# KiCad board PCB_PANELIZED.kicad_pcb (continued)
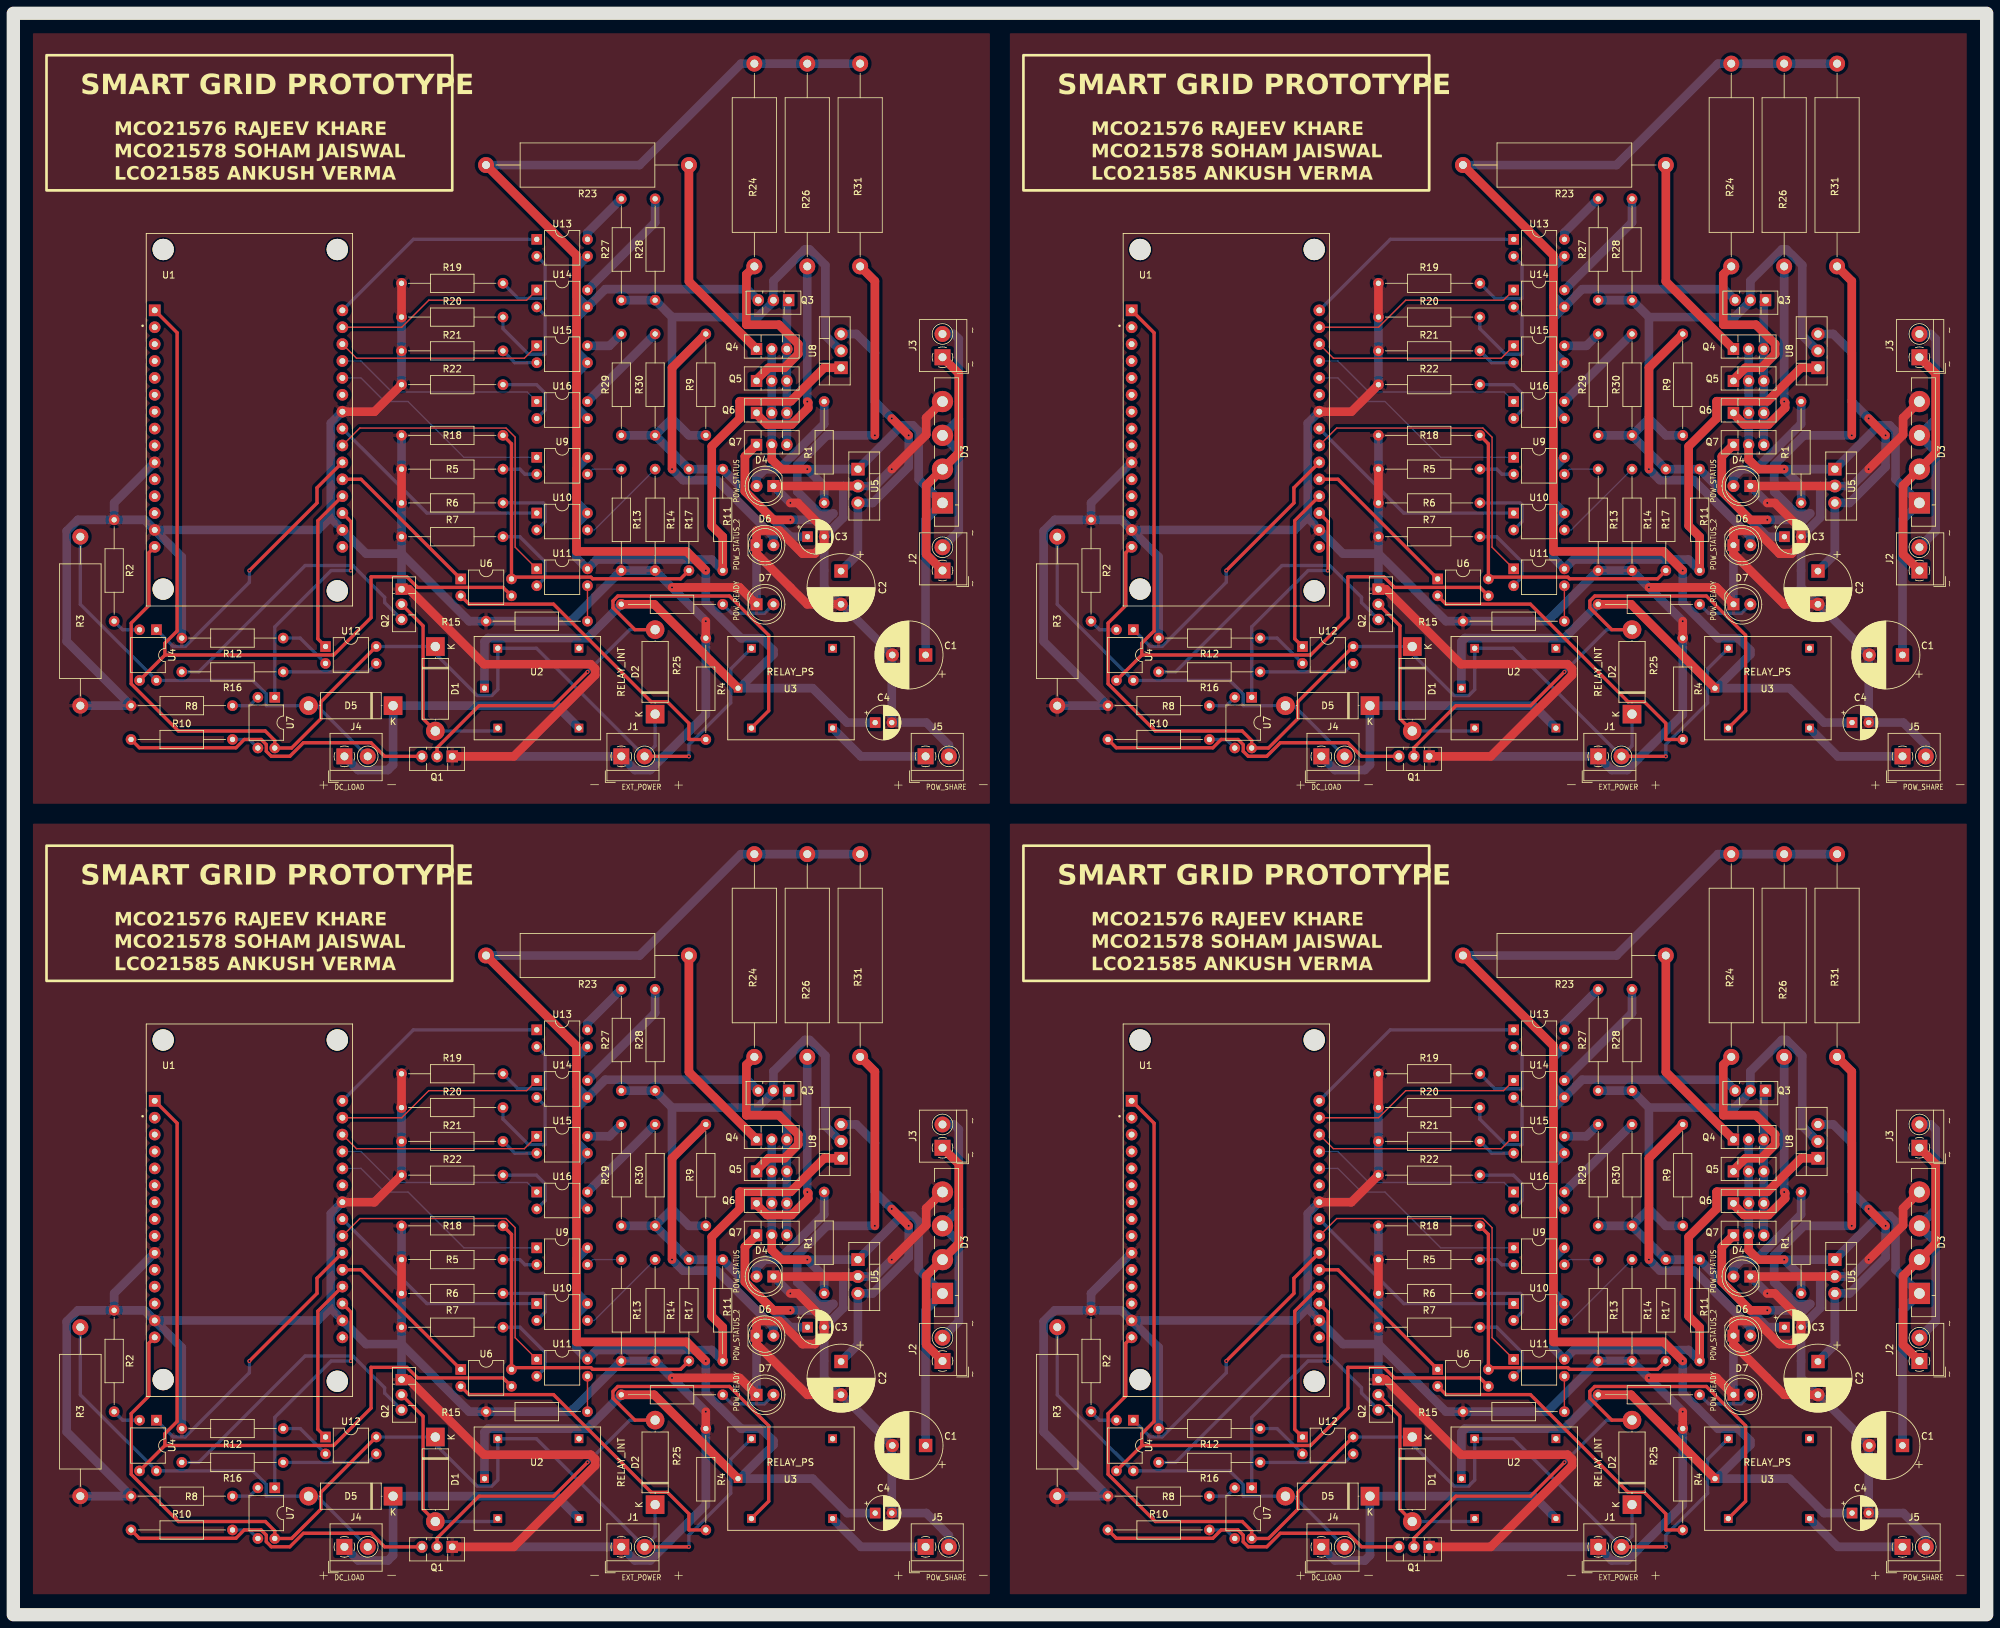
[diagram p0: board, top side]
## Routing (per net, layer and track width the routed paths; a pad name or vN(x,y) marks a point on that pad's centre or on a via; arc(x,y) is an arc through that point) (continued)
/RELAY_IN: length 122.9
  Top w0.5: Q2#3.2 61.56,29.83 61.56,15.86 D1#3.2 ; D1.2 208.34,15.86 208.34,29.83 Q2.2 ; Q2#4.2 61.56,148.67 61.56,134.7 D1#2.2 ; Q2#2.2 208.34,148.67 208.34,134.7 D1#4.2
  Bottom w0.5: U2#4.P$3 219.13,132.85 D1#4.2 ; U2.P$3 219.13,14.01 D1.2 ; D1#2.2 72.35,132.85 U2#3.P$3 ; U2#2.P$3 72.35,14.01 D1#3.2
/V_CONTROL: length 345
  Top w1.3: U8#2.1 268.61,68.62 263.58,63.59 255.96,63.59 255.91,63.54 255.91,61 251.72,56.81 251.72,44.87 253.37,43.22 R11#2.1 ; U8#4.1 121.83,187.46 116.8,182.43 109.18,182.43 109.13,182.38 109.13,179.84 104.94,175.65 104.94,163.71 106.59,162.06 R11#3.1 ; U8.1 121.83,68.62 116.8,63.59 109.18,63.59 109.13,63.54 109.13,61 104.94,56.81 104.94,44.87 106.59,43.22 R11#4.1 ; R11.1 253.37,162.06 251.72,163.71 251.72,175.65 255.91,179.84 255.91,182.38 255.96,182.43 263.58,182.43 268.61,187.46 U8#3.1
  Bottom w1.3: U9#4.4 84.62,172.35 84.62,167.26 U10#3.4 84.62,163.96 84.62,158.88 U11#2.4 87.67,158.63 104.94,158.63 R11#3.1 ; U9#2.4 231.4,53.51 231.4,48.42 U10#2.4 231.4,45.12 231.4,40.04 U11#3.4 234.45,39.79 251.72,39.79 R11#2.1 ; R11#4.1 104.94,39.79 87.67,39.79 U11#4.4 84.62,40.04 84.62,45.12 U10#4.4 84.62,48.42 84.62,53.51 U9.4 ; R11.1 251.72,158.63 234.45,158.63 U11.4 231.4,158.88 231.4,163.96 U10.4 231.4,167.26 231.4,172.35 U9#3.4
/V_OUT: length 447.4
  Bottom w1.3: R27#2.1 R28#4.1 98.97,76.24 ; 245.75,61 R30#4.1 ; 245.75,61 245.75,76.24 ; 245.75,61 248.29,58.46 R9#2.1 ; R30#4.1 R29#4.1 ; R30#4.1 R17.1 R11#2.2 263.53,43.22 C3#2.1 ; C3.1 116.75,43.22 R11#4.2 R17#3.1 R30.1 ; 98.97,76.24 111.85,76.24 114.21,78.6 Q3.2 114.21,81.68 118.93,86.4 119.65,86.4 122.01,84.04 122.01,73.46 124.31,71.16 U8.2 ; 98.97,76.24 98.97,61 ; R9#4.1 101.51,58.46 98.97,61 ; R29.1 R30#3.1 ; R30#3.1 R17#2.1 R11#3.2 116.75,162.06 C3#4.1 ; R30#3.1 98.97,179.84 ; 98.97,61 R30.1 ; C3#3.1 263.53,162.06 R11.2 R17#4.1 R30#2.1 ; R9.1 248.29,177.3 245.75,179.84 ; 98.97,179.84 101.51,177.3 R9#3.1 ; 98.97,179.84 98.97,195.08 ; R27#4.1 R28#2.1 245.75,76.24 ; 98.97,195.08 111.85,195.08 114.21,197.44 Q3#3.2 114.21,200.52 118.93,205.24 119.65,205.24 122.01,202.88 122.01,192.3 124.31,190 U8#4.2 ; 98.97,195.08 R28#3.1 R27#3.1 ; R29#3.1 R30#2.1 ; R30#2.1 245.75,179.84 ; R29#2.1 R30.1 ; 245.75,76.24 258.63,76.24 260.99,78.6 Q3#4.2 260.99,81.68 265.71,86.4 266.43,86.4 268.79,84.04 268.79,73.46 271.09,71.16 U8#2.2 ; U8#3.2 271.09,190 268.79,192.3 268.79,202.88 266.43,205.24 265.71,205.24 260.99,200.52 Q3#2.2 260.99,197.44 258.63,195.08 245.75,195.08 ; 245.75,179.84 245.75,195.08 ; 245.75,195.08 R28.1 R27.1
/V_SENSE: length 198
  Top w0.5: R18#2.1 74.85,57.18 U6#4.4 75.12,37.14 86.79,37.14 87.04,36.89 100.26,36.89 R17#3.2 ; R18.1 74.85,176.02 U6#3.4 75.12,155.98 86.79,155.98 87.04,155.73 100.26,155.73 R17#2.2 ; R18#4.1 221.63,57.18 U6.4 221.9,37.14 233.57,37.14 233.82,36.89 247.04,36.89 R17.2 ; R17#4.2 247.04,155.73 233.82,155.73 233.57,155.98 221.9,155.98 U6#2.4 221.63,176.02 R18#3.1
VAC: length 148.5
  Bottom w1.3: J3.2 141.31,73.7 142.06,72.95 142.06,60.91 D3.3 142.06,56.01 142.06,44.09 J2.2 ; J2#2.2 288.84,162.93 288.84,174.85 D3#4.3 288.84,179.75 288.84,191.79 288.09,192.54 J3#3.2 ; J3#4.2 288.09,73.7 288.84,72.95 288.84,60.91 D3#2.3 288.84,56.01 288.84,44.09 J2#3.2 ; J3#2.2 141.31,192.54 142.06,191.79 142.06,179.75 D3#3.3 142.06,174.85 142.06,162.93 J2#4.2
Net-(D4-A): length 72.5
  Bottom w1.3: R1.2 268.61,179.02 261.81,172.22 259.72,172.22 258.45,170.95 D4#4.2 ; D4.2 258.45,52.11 259.72,53.38 261.81,53.38 268.61,60.18 R1#3.2 ; R1#4.2 121.83,179.02 115.03,172.22 112.94,172.22 111.67,170.95 D4#2.2 ; D4#3.2 111.67,52.11 112.94,53.38 115.03,53.38 121.83,60.18 R1#2.2
Net-(D5-K): length 186.8
  Bottom w1.3: U2#4.P$4 228.41,136.66 D5.1 203.84,127.77 203.06,126.99 198.58,126.99 J4#4.1 ; U2#2.P$4 81.63,17.82 D5#2.1 57.06,8.93 56.28,8.15 51.8,8.15 J4#3.1 ; U2#3.P$4 81.63,136.66 D5#4.1 57.06,127.77 56.28,126.99 51.8,126.99 J4#2.1 ; J4.1 198.58,8.15 203.06,8.15 203.84,8.93 D5#3.1 228.41,17.82 U2.P$4
Net-(D6-A): length 172.6
  Top w1.3: R9.2 245.75,187.46 v1(245.75,172.22) ; R9#3.2 98.97,187.46 v1(98.97,172.22) ; v1(98.97,53.38) 98.97,68.62 R9#4.2 ; v1(245.75,53.38) 245.75,68.62 R9#2.2
  Bottom w1.3: v1(98.97,172.22) 100.62,170.57 105.7,170.57 114.21,162.06 D6#3.2 ; v1(245.75,53.38) 247.4,51.73 252.48,51.73 260.99,43.22 D6#4.2 ; D6.2 114.21,43.22 105.7,51.73 100.62,51.73 v1(98.97,53.38) ; D6#2.2 260.99,162.06 252.48,170.57 247.4,170.57 v1(245.75,172.22)
Net-(D7-A): length 35
  Bottom w0.5: D7#4.2 259.64,150.55 254.72,150.55 R25#3.2 ; D7#3.2 259.64,31.71 254.72,31.71 R25#2.2 ; R25.2 107.94,150.55 112.86,150.55 D7#2.2 ; R25#4.2 107.94,31.71 112.86,31.71 D7.2
Net-(J2-Pin_1): length 144.5
  Top w1.3: J3#2.1 142.06,186.59 142.06,174.67 D3#3.2 137.16,169.77 137.16,159.43 J2#4.1 ; J2.1 137.16,40.59 137.16,50.93 D3.2 142.06,55.83 142.06,67.75 J3.1 ; J2#2.1 283.94,159.43 283.94,169.77 D3#4.2 288.84,174.67 288.84,186.59 J3#3.1 ; J2#3.1 283.94,40.59 283.94,50.93 D3#2.2 288.84,55.83 288.84,67.75 J3#4.1
Net-(J5-Pin_1): length 63
  Bottom w1.3: U3#4.P$4 274.13,129.04 J5.1 ; U3#2.P$4 127.35,129.04 J5#4.1 ; J5#3.1 127.35,10.2 U3#3.P$4 ; J5#2.1 274.13,10.2 U3.P$4
Net-(Q1-B): length 192.2
  Top w0.5: R10#4.1 18.94,130.33 33.45,130.33 34.7,131.58 37.23,131.58 38.01,130.8 38.01,129.81 38.77,129.05 41.55,129.05 43.58,131.09 53.74,131.09 55.79,129.04 Q1#2.3 ; Q1.3 202.57,10.2 200.52,12.25 190.36,12.25 188.33,10.21 185.55,10.21 184.79,10.97 184.79,11.96 184.01,12.74 181.48,12.74 180.23,11.49 165.72,11.49 R10#3.1 ; Q1#3.3 202.57,129.04 200.52,131.09 190.36,131.09 188.33,129.05 185.55,129.05 184.79,129.81 184.79,130.8 184.01,131.58 181.48,131.58 180.23,130.33 165.72,130.33 R10#2.1 ; Q1#4.3 55.79,10.2 53.74,12.25 43.58,12.25 41.55,10.21 38.77,10.21 38.01,10.97 38.01,11.96 37.23,12.74 34.7,12.74 33.45,11.49 18.94,11.49 R10.1
Net-(Q2-B): length 173.9
  Bottom w0.5: Q2#2.3 202.57,152.16 202.57,152.96 197.8,157.73 190.62,157.73 174.63,141.74 R16#4.2 ; Q2#3.3 55.79,33.32 55.79,34.12 51.02,38.89 43.84,38.89 27.85,22.9 R16.2 ; R16#2.2 27.85,141.74 43.84,157.73 51.02,157.73 55.79,152.96 55.79,152.16 Q2#4.3 ; R16#3.2 174.63,22.9 190.62,38.89 197.8,38.89 202.57,34.12 202.57,33.32 Q2.3
Net-(Q3-E): length 87.4
  Bottom w1.3: Q3#2.1 263.01,197.36 Q4.3 Q5.3 Q6#4.3 Q7#4.3 ; Q3#3.1 116.23,197.36 Q4#3.3 Q5#3.3 Q6#2.3 Q7.3 ; Q7#3.3 Q6#3.3 Q5#2.3 Q4#2.3 116.23,78.52 Q3.1 ; Q7#2.3 Q6.3 Q5#4.3 Q4#4.3 263.01,78.52 Q3#4.1
Net-(R2-Pad2): length 17.4
  Bottom w0.5: R2#3.2 16.43,148.08 U4#3.2 ; R2#2.2 16.43,29.24 U4#4.2 ; U4#2.2 163.21,148.08 R2#4.2 ; U4.2 163.21,29.24 R2.2
Net-(R4-Pad2): length 188.8
  Top w0.5: U6#2.2 215.26,151.93 227.94,151.93 242.63,137.24 245.06,137.24 248.29,134.01 248.29,131.58 R4#3.2 ; R4.2 101.51,131.58 101.51,134.01 98.28,137.24 95.85,137.24 81.17,151.93 68.48,151.93 U6#3.2 ; U6.2 215.26,33.09 227.94,33.09 242.63,18.4 245.06,18.4 248.29,15.17 248.29,12.74 R4#4.2 ; R4#2.2 101.51,12.74 101.51,15.17 98.28,18.4 95.85,18.4 81.17,33.09 68.48,33.09 U6#4.2
Net-(R5-Pad2): length 21.6
  Bottom w0.5: U9#4.2 76.87,171.46 76.11,172.22 R5.2 ; R5#4.2 222.89,53.38 223.65,52.62 225.43,52.62 ; 78.65,52.62 76.87,52.62 76.11,53.38 R5#3.2 ; U9#3.2 223.65,171.46 222.89,172.22 R5#2.2
Net-(R6-Pad2): length 43
  Bottom w0.5: U10#2.2 226.68,45.48 226.68,48.02 226.4,48.3 R6#4.2 ; U10.2 226.68,164.32 226.68,166.86 226.4,167.14 R6.2 ; U10#4.2 79.9,45.48 79.9,48.02 79.62,48.3 R6#3.2 ; U10#3.2 79.9,164.32 79.9,166.86 79.62,167.14 R6#2.2
Net-(R7-Pad2): length 48
  Bottom w0.5: 225.43,154.69 226.68,155.94 226.68,158.27 222.89,162.06 R7#4.2 ; R7#2.2 222.89,43.22 226.68,39.43 226.68,37.1 U11#3.2 ; R7.2 76.11,162.06 79.9,158.27 79.9,155.94 78.65,154.69 ; R7#3.2 76.11,43.22 79.9,39.43 79.9,37.1 U11#4.2
Net-(R8-Pad1): length 17.3
  Bottom w0.5: U7#4.2 35.48,136.66 R8#3.1 ; U7#3.2 182.26,136.66 R8#2.1 ; U7#2.2 182.26,17.82 R8.1 ; U7.2 35.48,17.82 R8#4.1
Net-(R10-Pad2): length 17.4
  Bottom w0.5: U7#3.3 182.25,131.58 R10#2.2 ; U7#4.3 35.47,131.58 R10#4.2 ; R10#3.2 182.25,12.74 U7#2.3 ; R10.2 35.47,12.74 U7.3
Net-(R12-Pad1): length 31.7
  Bottom w0.5: U12#4.2 43.1,146.82 R12.1 ; R12#3.1 189.88,146.82 U12#3.2 ; R12#2.1 43.1,27.98 U12#2.2 ; U12.2 189.88,27.98 R12#4.1
Net-(R13-Pad1): length 21.6
  Bottom w0.2: R13#4.1 87.03,53.38 86.27,52.62 ; R13#2.1 87.03,172.22 U9#4.3 ; R13#3.1 233.81,172.22 U9#3.3 ; 233.05,52.62 233.81,53.38 R13.1
Net-(R14-Pad1): length 55.8
  Bottom w0.2: U10#3.3 87.28,163.07 R14#2.1 ; U10.3 234.06,163.07 R14#3.1 ; R14.1 87.28,44.23 U10#4.3 ; R14#4.1 234.06,44.23 U10#2.3
Net-(R15-Pad1): length 21.3
  Top w0.2: R15#3.1 U11#4.3 ; R15.1 233.05,154.69 ; R15#2.1 U11#3.3 ; R15#4.1 86.27,154.69
Net-(R16-Pad1): length 58
  Bottom w0.5: U12#2.3 53.26,22.9 R16.1 ; U12.3 200.03,22.9 R16#3.1 ; U12#3.3 200.03,141.74 R16#4.1 ; R16#2.1 53.26,141.74 U12#4.3
Net-(R19-Pad2): length 56.5
  Bottom w0.5: R19#2.2 222.61,197.9 226.68,197.9 226.68,202.98 U13#4.2 ; U13.2 79.9,84.14 79.9,79.06 75.83,79.06 R19.2 ; U13#2.2 79.9,202.98 79.9,197.9 75.83,197.9 R19#4.2 ; R19#3.2 222.61,79.06 226.68,79.06 226.68,84.14 U13#3.2
Net-(R20-Pad2): length 69.1
  Bottom w0.5: U14#2.2 226.68,195.36 226.68,189.51 224.18,189.51 220.35,193.34 R20.2 ; R20#3.2 220.35,74.5 224.18,70.67 226.68,70.67 226.68,76.52 U14#3.2 ; R20#4.2 73.57,193.34 77.4,189.51 79.9,189.51 79.9,195.36 U14#4.2 ; U14.2 79.9,76.52 79.9,70.67 77.4,70.67 73.57,74.5 R20#2.2
Net-(R21-Pad2): length 23.3
  Bottom w0.5: U15#4.2 222.13,69.38 R21.2 ; U15#3.2 75.35,188.22 R21#3.2 ; R21#2.2 222.13,188.22 U15.2 ; U15#2.2 75.35,69.38 R21#4.2
Net-(R22-Pad2): length 44.7
  Bottom w0.5: U16#2.2 79.9,62.25 79.9,64.79 78.61,66.08 R22#3.2 ; U16#4.2 226.68,62.25 226.68,64.79 225.39,66.08 R22.2 ; R22#4.2 78.61,184.92 79.9,183.63 79.9,181.09 U16.2 ; U16#3.2 226.68,181.09 226.68,183.63 225.39,184.92 R22#2.2

## Copper pours and planes (outline as drawn; the poured copper is in the pictures)
GND on Top, Bottom: 146.69,121.96 146.69,0.04 296.55,0.04 296.55,121.96
GND on Top, Bottom: -0.09,240.8 -0.09,118.88 149.77,118.88 149.77,240.8
GND on Top, Bottom: 146.69,240.8 146.69,118.88 296.55,118.88 296.55,240.8
GND on Top, Bottom: -0.09,121.96 -0.09,0.04 149.77,0.04 149.77,121.96

## Text on the board
F.Silkscreen: DC_LOAD | EXT_POWER | POW_SHARE | POW_STATUS | POW_STATUS_2 | POW_READY | ~ | + | - | MCO21576 RAJEEV KHARE / MCO21578 SOHAM JAISWAL / LCO21585 ANKUSH VERMA | SMART GRID PROTOTYPE
